# Altium PCB Gatorsynth_Sequencer.PcbDoc (part 2 of 3)
Units mm, origin at the board's own origin, x right, y up, seen from the top; angles counter-clockwise.
Board outline 320 x 113.4 mm, 2 copper layers (Top Layer, Bottom Layer); 245 components, 280 nets, 1041 pads, 279 vias.
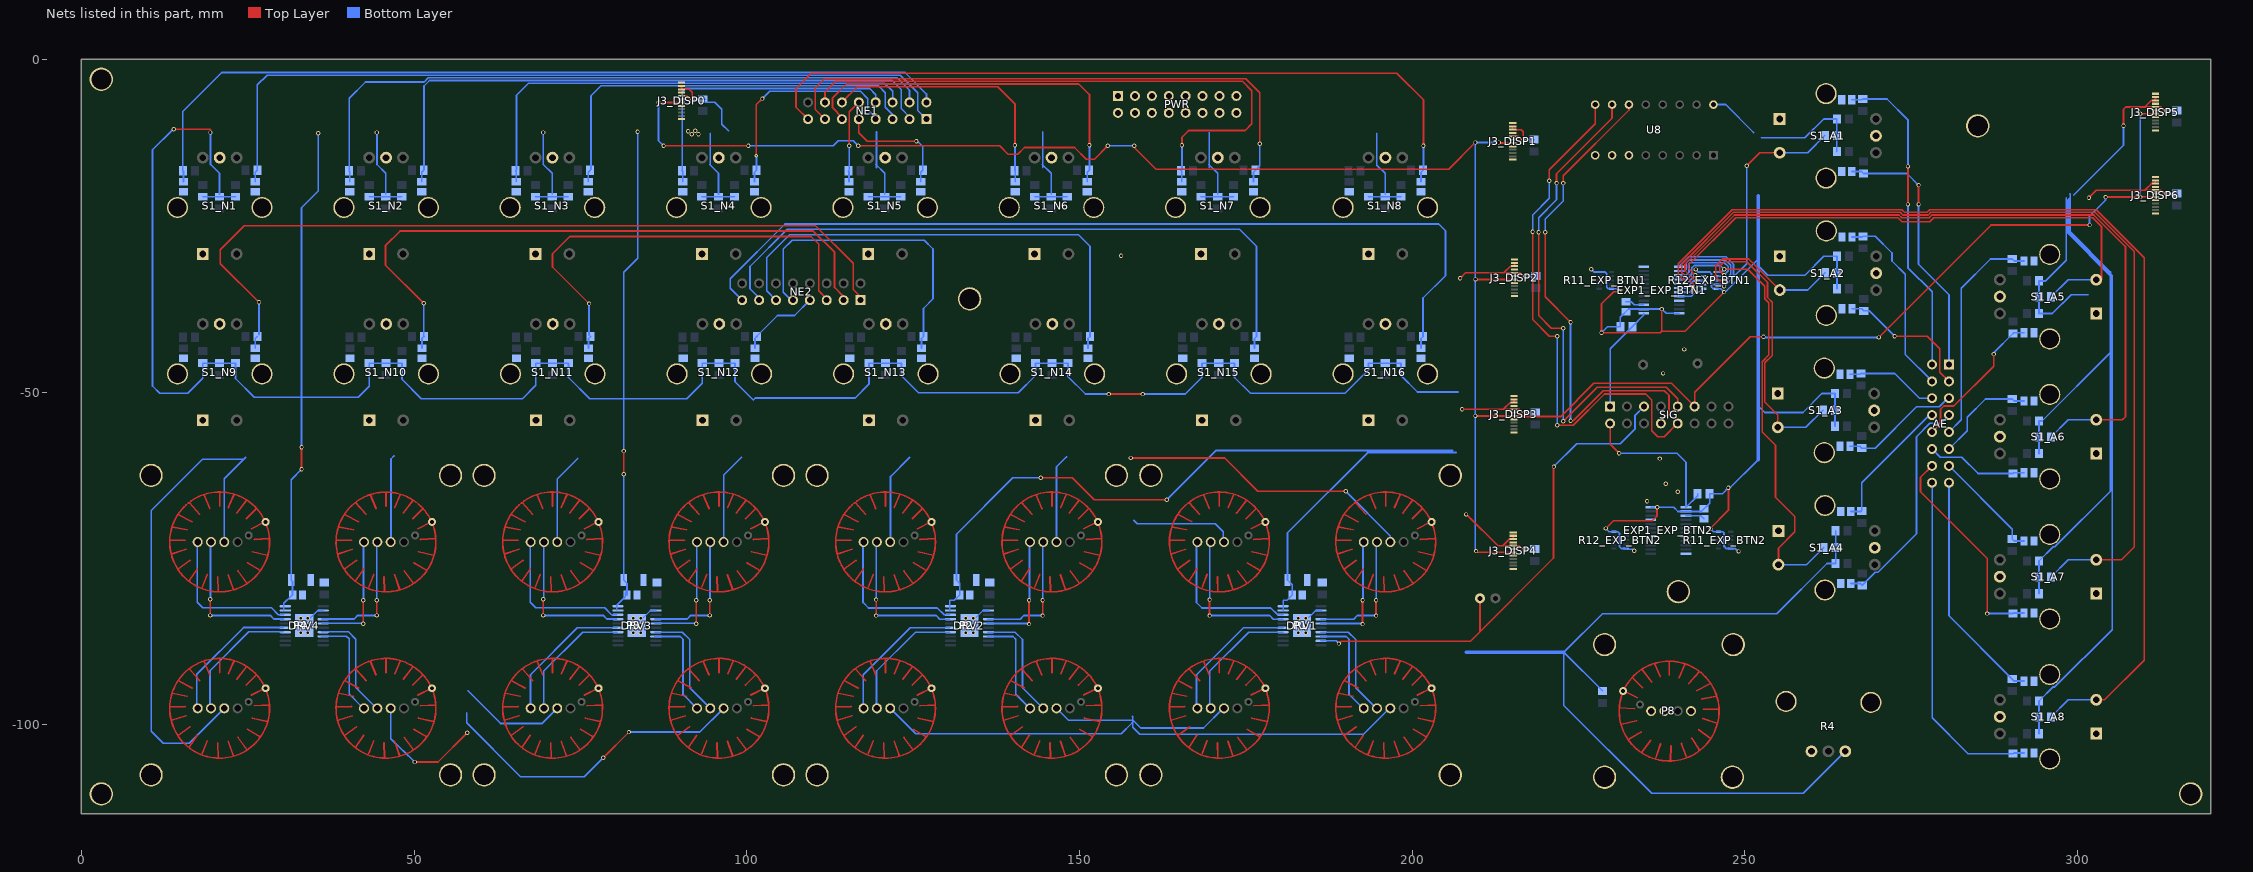
[diagram p2: the nets of this part, all layers, seen from the top]

## Part data
AE NE1 NE2 PWR SIG: "Header, 8-Pin, Dual row"
C1_A1 C1_A2 C1_A3 C1_A4 C1_A5 C1_A6 C1_A7 C1_A8 C1_N1 C1_N2 C1_N3 C1_N4 C1_N5 C1_N6 C1_N7 C1_N8 C1_N9 C1_N10 C1_N11 C1_N12 C1_N13 C1_N14 C1_N15 C1_N16 C2_A1 C2_A2 C2_A3 C2_A4 C2_A5 C2_A6 C2_A7 C2_A8 C2_N1 C2_N2 C2_N3 C2_N4 C2_N5 C2_N6 C2_N7 C2_N8 C2_N9 C2_N10 C2_N11 C2_N12 C2_N13 C2_N14 C2_N15 C2_N16: library part Cap, "Capacitor"
C15 C17 C19 C21: library part "Cap Pol2", "Polarized Capacitor (Axial)"
C16 C18 C20 C22 C23_EXP_BTN1 C23_EXP_BTN2: "Capacitor"
DRV1 DRV2 DRV3 DRV4: "12-Channel, 16-Bit ES-PWM RGB LED Driver with 3.3 V Linear Regulator, 6 to 17 V, -40 to 85 degC, 20-pin SOP (PWP20), Green (RoHS & no Sb/Br)"
EXP1_EXP_BTN1 EXP1_EXP_BTN2: "Interface IC - I/O extensions Maxim Integrated MAX7314AEG%2B PWM I%C2%B2C 400 kHz QSOP 24"
J3_DISP0 J3_DISP1 J3_DISP2 J3_DISP3 J3_DISP4 J3_DISP5 J3_DISP6 R11_EXP_BTN1 R11_EXP_BTN2 R12_EXP_BTN1 R12_EXP_BTN2 U8: "Imported"
P1 P2 P3 P4: library part BUTTONPAD-2X2, "5mm Button PadProven layout and schematic for 2x2 button pad. Panelize this device/fp to a 4x4 pad if needed. Spark Fun Electronics SKU : COM-07835. Compatible common cathode tri-color LED SKU : COM-00105"
R1_A1 R1_A2 R1_A3 R1_A4 R1_A5 R1_A6 R1_A7 R1_A8 R1_N1 R1_N2 R1_N3 R1_N4 R1_N5 R1_N6 R1_N7 R1_N8 R1_N9 R1_N10 R1_N11 R1_N12 R1_N13 R1_N14 R1_N15 R1_N16 R2_A1 R2_A2 R2_A3 R2_A4 R2_A5 R2_A6 R2_A7 R2_A8 R2_N1 R2_N2 R2_N3 R2_N4 R2_N5 R2_N6 R2_N7 R2_N8 R2_N9 R2_N10 R2_N11 R2_N12 R2_N13 R2_N14 R2_N15 R2_N16 R3_A1 R3_A2 R3_A3 R3_A4 R3_A5 R3_A6 R3_A7 R3_A8 R3_N1 R3_N2 R3_N3 R3_N4 R3_N5 R3_N6 R3_N7 R3_N8 R3_N9 R3_N10 R3_N11 R3_N12 R3_N13 R3_N14 R3_N15 R3_N16 R5 R6 R7 R8 R9_DISP0 R9_DISP1 R9_DISP2 R9_DISP3 R9_DISP4 R9_DISP5 R9_DISP6 R10_EXP_BTN1 R10_EXP_BTN2 R25 R34_A1 R34_A2 R34_A3 R34_A4 R34_A5 R34_A6 R34_A7 R34_A8 R34_N1 R34_N2 R34_N3 R34_N4 R34_N5 R34_N6 R34_N7 R34_N8 R34_N9 R34_N10 R34_N11 R34_N12 R34_N13 R34_N14 R34_N15 R34_N16 R35_A1 R35_A2 R35_A3 R35_A4 R35_A5 R35_A6 R35_A7 R35_A8 R35_N1 R35_N2 R35_N3 R35_N4 R35_N5 R35_N6 R35_N7 R35_N8 R35_N9 R35_N10 R35_N11 R35_N12 R35_N13 R35_N14 R35_N15 R35_N16: library part Res1, "Resistor"
R4: library part "Potentiometer (NO_SLOTS)"

## Free pads (board coordinates)
  round 3.5 hole 3: 3(3,-110.4) 3(3,-3) 3(133.5,-36) 3(240,-80) 3(285,-10) 3(317,-110.4)
  round 1.524 hole 0.762: 4(234.7,-45.9) 5(242.9,-45.7) 8(210.2,-81) 10(212.502,-81)

## Via types
v1: diameter 0.64, hole 0.381, Top Layer to Bottom Layer, 278 vias
v2: diameter 0.55, hole 0.25, Top Layer to Bottom Layer, 1 vias

## Nets (pads, with @x,y where several pads share a name; then routed paths per layer and width w, separated by ;. In a path a pad name is that pad's centre, name@x,y a point inside that pad or via, vN(x,y) a via of type N, cw(c..) or ccw(c..) an arc to the next point about the centre after c; other vN are vias at no path point)
1.27V: 
3.3V: C15.1 C16.2 C17.1 C18.2 C19.1 C20.2 C21.1 C22.2 C23_EXP_BTN1.1 C23_EXP_BTN2.1 DRV1.19 DRV1.20 DRV2.19 DRV2.20 DRV3.19 DRV3.20 DRV4.19 DRV4.20 EXP1_EXP_BTN1.2 EXP1_EXP_BTN1.24 EXP1_EXP_BTN2.2 EXP1_EXP_BTN2.24 J3_DISP0.2 J3_DISP0.3 J3_DISP0.5 J3_DISP1.2 J3_DISP1.3 J3_DISP1.5 J3_DISP2.2 J3_DISP2.3 J3_DISP2.5 J3_DISP3.2 J3_DISP3.3 J3_DISP3.5 J3_DISP4.2 J3_DISP4.3 J3_DISP4.5 J3_DISP5.2 J3_DISP5.3 J3_DISP5.5 J3_DISP6.2 J3_DISP6.3 J3_DISP6.5 PWR.6 PWR.7 PWR.8 PWR.9 PWR.10 R1_A1.1 R1_A2.1 R1_A3.1 R1_A4.1 R1_A5.1 R1_A6.1 R1_A7.1 R1_A8.1 R1_N1.1 R1_N2.1 R1_N3.1 R1_N4.1 R1_N5.1 R1_N6.1 R1_N7.1 R1_N8.1 R1_N9.1 R1_N10.1 R1_N11.1 R1_N12.1 R1_N13.1 R1_N14.1 R1_N15.1 R1_N16.1 R4.3 R9_DISP0.1 R9_DISP1.1 R9_DISP2.1 R9_DISP3.1 R9_DISP4.1 R9_DISP5.1 R9_DISP6.1 R10_EXP_BTN1.2 R10_EXP_BTN2.2 R11_EXP_BTN1.5 R11_EXP_BTN1.10 R11_EXP_BTN2.5 R11_EXP_BTN2.10 R12_EXP_BTN1.5 R12_EXP_BTN1.10 R12_EXP_BTN2.5 R12_EXP_BTN2.10 R25.2 R34_A1.1 R34_A2.1 R34_A3.1 R34_A4.1 R34_A5.1 R34_A6.1 R34_A7.1 R34_A8.1 R34_N1.1 R34_N2.1 R34_N3.1 R34_N4.1 R34_N5.1 R34_N6.1 R34_N7.1 R34_N8.1 R34_N9.1 R34_N10.1 R34_N11.1 R34_N12.1 R34_N13.1 R34_N14.1 R34_N15.1 R34_N16.1 R35_A1.1 R35_A2.1 R35_A3.1 R35_A4.1 R35_A5.1 R35_A6.1 R35_A7.1 R35_A8.1 R35_N1.1 R35_N2.1 R35_N3.1 R35_N4.1 R35_N5.1 R35_N6.1 R35_N7.1 R35_N8.1 R35_N9.1 R35_N10.1 R35_N11.1 R35_N12.1 R35_N13.1 R35_N14.1 R35_N15.1 R35_N16.1 U8.16 | length 1391.6
  Top Layer w0.254: v1(13.9,-10.5) 19.4,-10.5 ; v1(33.1,-61.6) v1(33.1,-58.3) ; v1(81.525,-62.375) v1(81.525,-58.875) ; J3_DISP0.5@90.201,-5.5 91.029,-5.5 91.53,-6.001 v1(91.8,-6.001) 91.8,-4.951 91.349,-4.5 J3_DISP0.3@90.201,-4.5 J3_DISP0.2@90.201,-4.033 ; J3_DISP0.2@90.201,-4 J3_DISP0.2@90.579,-4 ; v1(144.2,-62.9) 148.9,-62.9 152.2,-66.2 v1(163.1,-66.2) ; v1(154.4,-50.3) v1(159.5,-50.3) ; v1(207.2,-32.9) 208.016,-32.084 213.075,-32.084 ; v1(207.5,-52.6) 207.508,-52.592 213,-52.592 ; v1@208.3,-68.5 212.9,-73.1 ; 212.901,-73.099 213.6,-73.099 ; 213.001,-52.591 213.7,-52.591 ; 213.076,-32.083 213.775,-32.083 ; J3_DISP1.5@215.101,-11.575 215.929,-11.575 216.43,-12.076 v1(216.7,-12.076) 216.7,-10.9 216.375,-10.575 J3_DISP1.3@215.101,-10.575 J3_DISP1.2@215.101,-10.108 ; J3_DISP1.2@215.101,-10.075 J3_DISP1.2@215.479,-10.075 ; J3_DISP4.2@215.201,-71.633 J3_DISP4.3@215.201,-72.099 214.6,-72.099 213.6,-73.099 ; J3_DISP4.2@215.201,-71.599 J3_DISP4.2@215.579,-71.599 ; J3_DISP3.2@215.301,-51.124 J3_DISP3.3@215.301,-51.591 214.7,-51.591 213.7,-52.591 ; J3_DISP3.2@215.301,-51.091 J3_DISP3.2@215.679,-51.091 ; J3_DISP2.2@215.376,-30.616 J3_DISP2.3@215.376,-31.083 214.775,-31.083 213.775,-32.083 ; J3_DISP2.2@215.376,-30.583 J3_DISP2.2@215.754,-30.583 ; v1(216.8,-73.6) 216.53,-73.6 216.029,-73.099 213.6,-73.099 ; v1(216.9,-53.092) 216.63,-53.092 216.129,-52.591 213.7,-52.591 ; v1(216.975,-32.584) 216.705,-32.584 216.204,-32.083 213.775,-32.083 ; v1(228.45,-41.075) 237.3,-41.075 237.525,-40.85 ; v1@228.55,-40.9 228.45,-41 228.45,-36.747 230.279,-34.917 v1(231.129,-34.917) ; v1(229.1,-70.5) 230.25,-69.35 236.1,-69.35 236.8,-68.65 236.8,-67.465 236.958,-67.308 v1(236.827,-67.308) ; v1(237.525,-37.525) 237.525,-40.85 ; v1@244.794,-70.506 247.525,-67.775 v1@247.525,-64.475 ; v1(246.875,-34.975) 241,-40.85 237.525,-40.85 ; v1(301.7,-20.8) 302.823,-19.677 309.4,-19.677 309.401,-19.676 310.1,-19.676 ; v1(306.9,-10) 306.9,-7.5 307.224,-7.176 309.4,-7.176 ; 309.401,-7.175 310.1,-7.175 ; J3_DISP6.2@311.701,-18.209 J3_DISP6.3@311.701,-18.676 311.1,-18.676 310.1,-19.676 ; J3_DISP6.2@311.701,-18.176 J3_DISP6.2@312.079,-18.176 ; J3_DISP5.2@311.701,-5.708 J3_DISP5.3@311.701,-6.175 311.1,-6.175 310.1,-7.175 ; J3_DISP5.2@311.701,-5.675 J3_DISP5.2@312.079,-5.675 ; v1(313.3,-20.177) 313.03,-20.177 312.529,-19.676 J3_DISP6.5@311.701,-19.676 310.1,-19.676 ; v1(313.3,-7.676) 313.03,-7.676 312.529,-7.175 J3_DISP5.5@311.701,-7.175 310.1,-7.175
  Bottom Layer w0.254: v1(13.9,-10.5) 13.8,-10.5 10.7,-13.6 10.7,-49.1 11.8,-50.2 16,-50.2 18.26,-47.94 R35_N9.1@18.26,-45.653 R1_N9.1@20.76,-45.653 R34_N9.1@23.16,-45.653 23.16,-47.96 26,-50.8 33.1,-50.8 ; R35_N1.1@18.26,-20.653 R1_N1.1@20.76,-20.653 R34_N1.1@23.16,-20.653 ; v1@19.426,-11.026 19.426,-15.806 20.76,-17.14 R1_N1.1@20.76,-20.253 ; DRV4.19@30.415,-82.807 30.415,-81.76 31.685,-80.49 C22.2@31.685,-80.013 ; C22.2@31.75,-80.5 31.75,-78.475 C21.1@31.525,-78.25 31.525,-63.175 v1(33.1,-61.6) ; v1(33.1,-58.3) 33.1,-50.8 ; v1(35.6,-11.1) 35.6,-19.8 33.1,-22.3 33.1,-50.8 ; R35_N2.1@43.26,-20.653 R34_N2.1@48.16,-20.653 ; v1@44.426,-11.026 44.426,-15.806 45.76,-17.14 R1_N2.1@45.76,-20.253 ; R35_N3.1@68.26,-20.653 R1_N3.1@70.76,-20.653 R34_N3.1@73.16,-20.653 ; v1(69.4,-11) 69.426,-11.026 69.426,-15.806 70.76,-17.14 R1_N3.1@70.76,-20.253 ; DRV3.19@80.478,-82.807 80.478,-82.022 81.748,-80.752 C20.2@81.748,-80.013 ; v1(81.525,-62.375) C19.1@81.525,-78.25 82,-78.725 C20.2@82,-80.5 ; v1(81.525,-58.875) 81.525,-51 ; v1(83.6,-10.9) 83.6,-29.9 81.525,-31.975 81.525,-51 ; v1@92,-6.001 R9_DISP0.1@93.4,-6.001 R9_DISP0.1@93.85,-6.001 ; R35_N4.1@93.26,-20.653 R1_N4.1@95.76,-20.653 R34_N4.1@98.16,-20.653 ; R9_DISP0.1@93.663,-6.463 95.213,-6.463 96.25,-7.5 96.25,-9.75 97.25,-10.75 ; 94.426,-15.806 95.76,-17.14 R1_N4.1@95.76,-20.253 ; 94.5,-15.806 94.5,-11.1 ; R35_N5.1@118.26,-20.653 R1_N5.1@120.76,-20.653 R34_N5.1@123.16,-20.653 ; 119.426,-15.806 120.76,-17.14 R1_N5.1@120.76,-20.253 ; 119.5,-16.28 119.5,-10.9 ; DRV2.19@130.491,-82.832 130.491,-81.308 131.192,-81.308 C18.2@132,-80.5 132,-78.725 C17.1@131.525,-78.25 131.525,-71.375 140,-62.9 v1(144.2,-62.9) ; R35_N6.1@143.26,-20.653 R1_N6.1@145.76,-20.653 R34_N6.1@148.16,-20.653 ; 144.426,-15.806 145.76,-17.14 R1_N6.1@145.76,-20.253 ; 144.5,-16.28 144.5,-10.9 ; v1(154.4,-50.3) 150.9,-50.3 148.285,-47.685 R34_N14.1@148.285,-45.653 R35_N14.1@143.385,-45.653 143.385,-47.515 140.8,-50.1 125.8,-50.1 123.26,-47.56 R34_N13.1@123.26,-45.653 R35_N13.1@118.36,-45.653 118.36,-48.84 116.3,-50.9 101.3,-50.9 101,-51.2 98.235,-48.435 R34_N12.1@98.235,-45.653 R35_N12.1@93.335,-45.653 93.335,-48.665 91,-51 81.525,-51 ; v1(159.5,-50.3) 165.9,-50.3 168.41,-47.79 R35_N15.1@168.41,-45.653 R34_N15.1@173.31,-45.653 ; v1(163.1,-66.2) 170.5,-58.8 206.1,-58.8 ; R35_N7.1@168.26,-20.653 R1_N7.1@170.76,-20.653 R34_N7.1@173.16,-20.653 ; 169.426,-15.806 170.76,-17.14 R1_N7.1@170.76,-20.253 ; 169.5,-16.28 169.5,-11 ; R34_N15.1@173.31,-45.653 173.31,-47.81 175.7,-50.2 189.9,-50.2 193.435,-46.665 R35_N16.1@193.435,-45.653 R34_N16.1@198.335,-45.653 198.335,-47.535 200.8,-50 206.9,-50 ; DRV1.19@180.605,-82.832 DRV1.20@180.605,-82.182 180.605,-81.308 181.192,-81.308 C16.2@182,-80.5 182,-78.975 C15.1@181.275,-78.25 181.275,-71.125 193.3,-59.1 206.6,-59.1 ; R35_N8.1@193.435,-20.653 R1_N8.1@195.935,-20.653 R34_N8.1@198.335,-20.653 ; 194.7,-11.1 194.7,-15.905 195.935,-17.14 R1_N8.1@195.935,-20.253 ; v1@216.9,-12.076 R9_DISP1.1@218.3,-12.076 ; v1@217,-73.6 R9_DISP4.1@218.4,-73.6 ; v1@217.1,-53.092 R9_DISP3.1@218.5,-53.092 ; v1@217.175,-32.584 R9_DISP2.1@218.575,-32.584 ; v1(226.929,-31.567) 227.297,-31.935 227.309,-31.947 228.947,-31.947 229.25,-32.25 229.25,-34.25 229.487,-34.487 R11_EXP_BTN1.5@229.944,-34.487 230.699,-34.487 v1(231.129,-34.917) ; v1(228.45,-41.075) 229.35,-40.175 R10_EXP_BTN1.2@231.275,-40.175 231.275,-38.772 232.514,-37.532 EXP1_EXP_BTN1.2@234.821,-37.532 234.828,-37.525 v1(237.525,-37.525) 238.167,-38.167 EXP1_EXP_BTN1.24@240.129,-38.167 ; R25.2@228.6,-94.9 222.8,-89.1 ; v1(229.1,-70.5) 229.587,-70.987 230.912,-70.987 231.162,-71.237 231.162,-73.237 231.452,-73.527 R12_EXP_BTN2.10@232.16,-73.527 232.28,-73.647 233.161,-73.647 v1(233.364,-73.85) ; EXP1_EXP_BTN2.24@235.846,-67.308 v1(236.827,-67.308) 239.3,-67.308 239.942,-67.95 241.147,-67.95 EXP1_EXP_BTN2.2@241.154,-67.943 243.461,-67.943 244.7,-66.703 R10_EXP_BTN2.2@244.7,-65.3 246.625,-65.3 v1(247.525,-64.4) ; v1(242.612,-31.577) 242.612,-31.612 242.947,-31.948 R12_EXP_BTN1.10@243.815,-31.947 244.697,-31.947 244.973,-32.223 244.973,-34.223 245.25,-34.5 ; v1(244.846,-70.558) 245.276,-70.988 R11_EXP_BTN2.5@246.031,-70.988 246.663,-70.988 246.875,-71.2 246.875,-73.2 247.203,-73.528 R11_EXP_BTN2.10@247.86,-73.528 248.578,-73.528 249,-73.95 v1(249.05,-73.95) ; U8.16@245.28,-6.8 247.1,-6.8 251.3,-11 ; R12_EXP_BTN1.5@245.644,-34.487 246.388,-34.488 v1(246.875,-34.975) 247.025,-34.975 252,-30 ; v1@247.625,-64.55 252,-60.175 ; 252,-52.1 252.967,-53.067 258.725,-53.067 261.565,-50.227 R35_A3.1@263.547,-50.227 R34_A3.1@263.547,-55.127 ; 252,-31 253.433,-32.433 259.025,-32.433 261.865,-29.593 R35_A2.1@263.847,-29.593 R34_A2.1@263.847,-34.493 ; 252.5,-11.8 259,-11.8 261.84,-8.96 R35_A1.1@263.822,-8.96 R34_A1.1@263.822,-13.86 ; R35_A4.1@263.647,-70.86 R1_A4.1@263.647,-73.36 R34_A4.1@263.647,-75.76 262.34,-75.76 254.8,-83.3 228.6,-83.3 222.8,-89.1 ; R4.3@265.09,-103.993 258.783,-110.3 236,-110.3 222.8,-97.1 222.8,-89.1 ; R35_A8.1@294.2,-101.34 R1_A8.1@294.2,-98.84 R34_A8.1@294.2,-96.44 296.326,-94.314 296.587,-94.314 305.2,-85.702 305.2,-32.5 298.7,-26 298.7,-21.3 ; R35_A7.1@294.2,-80.293 R1_A7.1@294.2,-77.793 R34_A7.1@294.2,-75.393 296.326,-73.268 296.587,-73.268 304.955,-64.9 304.955,-31.955 298.9,-25.9 298.9,-20.3 298.8,-20.2 ; R35_A6.1@294.2,-59.247 R1_A6.1@294.2,-56.747 R34_A6.1@294.2,-54.347 294.653,-54.347 305,-44 305,-32.6 298.5,-26.1 298.5,-21.2 298.8,-20.9 ; 298.3,-20.8 298.3,-30.2 295.2,-33.3 R34_A5.1@294.2,-33.3 R1_A5.1@294.2,-35.7 R35_A5.1@294.2,-38.2 296.182,-38.2 299.022,-35.36 301.622,-35.36 ; 299.4,-20.4 306.9,-12.9 v1(306.9,-10) ; v1@313.5,-20.177 R9_DISP6.1@314.9,-20.177 ; v1@313.5,-7.676 R9_DISP5.1@314.9,-7.676 ; 33.1,-50.8 41.6,-50.8 43.285,-49.115 R35_N10.1@43.285,-45.653 R34_N10.1@48.185,-45.653 48.185,-48.085 51.1,-51 66.3,-51 68.31,-48.99 R35_N11.1@68.31,-45.653 R34_N11.1@73.21,-45.653 73.21,-47.81 76.4,-51 81.525,-51
  Bottom Layer w0.5: 208.1,-89.1 222.8,-89.1 ; 252,-60.175 252,-52.1 252,-31 252,-30 252,-20.5
  other v1: 208.1,-68.4 91.75,-11.25 92.75,-11.25 19.4,-11 44.4,-11 91.175,-10.8 92.25,-10.75
5V: 
12V: P1.VCC1 P1.VCC2 P1.VCC3 P1.VCC4 P2.VCC1 P2.VCC2 P2.VCC3 P2.VCC4 P3.VCC1 P3.VCC2 P3.VCC3 P3.VCC4 P4.VCC1 P4.VCC2 P4.VCC3 P4.VCC4 PWR.1 PWR.2 PWR.3 PWR.4 PWR.5 | length 399
  Top Layer w0.254: v1(50.1,-105.6) 53.6,-105.6 v1(58,-101.2) ; v1(78.45,-104.95) v1(82.3,-101.1) ; v1(157.7,-59.9) 171.8,-59.9 176.8,-64.9 v1(190,-64.9)
  Bottom Layer w0.254: P4.VCC4@21.485,-97.529 16.214,-102.8 12.3,-102.8 10.5,-101 10.5,-67.8 18.2,-60.1 24.394,-60.1 ; P4.VCC2@21.485,-72.529 21.485,-63.009 24.394,-60.1 ; 24.697,-59.797 24.394,-60.1 ; P4.VCC3@46.485,-97.529 46.485,-102.085 v1(50.1,-105.6) ; P4.VCC1@46.536,-72.427 46.536,-60.064 47,-59.6 ; 57.9,-98.2 57.9,-99.7 66,-107.8 75.6,-107.8 v1(78.45,-104.95) ; 58.1,-94.9 63,-99.8 69.252,-99.8 P3.VCC4@71.523,-97.529 ; P3.VCC2@71.523,-72.529 71.523,-63.077 74.6,-60 ; v1(82.3,-101.1) 92.952,-101.1 P3.VCC3@96.523,-97.529 ; P3.VCC1@96.171,-72.177 P3.VCC1@96.523,-72.177 ; P3.VCC1@96.523,-72.529 P3.VCC1@96.523,-72.177 ; P3.VCC1@96.875,-72.177 P3.VCC1@96.523,-72.177 ; 99.2,-59.8 96.523,-62.477 P3.VCC1@96.523,-72.177 ; P2.VCC4@121.561,-97.529 125.406,-101.374 156.272,-101.374 157.897,-99.748 ; P2.VCC2@121.593,-72.402 121.593,-62.707 124.5,-59.8 ; P2.VCC3@146.561,-97.529 148.349,-99.317 157.897,-99.317 ; P2.VCC1@146.561,-72.529 146.561,-61.239 148.05,-59.75 ; 157.948,-98.796 158.012,-98.732 158.012,-100.396 159.066,-101.45 192.678,-101.45 P1.VCC3@196.599,-97.529 ; 158.126,-99.418 159.193,-100.485 168.643,-100.485 P1.VCC4@171.599,-97.529 ; 158.177,-69.268 158.634,-69.726 158.634,-69.776 170.394,-69.776 171.599,-70.981 P1.VCC2@171.599,-72.529 ; v1(190,-64.9) 196.724,-71.624 P1.VCC1@196.724,-72.529
  other v1: 156.25,-29.5
-12V: 
AE_L0: AE.1 C1_A1.2 R2_A1.2 | length 39.8
  Top Layer w0.254: v1@276.1,-21.9 v1(276.1,-21.8) v1(276.1,-18.9)
  Bottom Layer w0.254: C1_A1.2@266.072,-16.86 267.522,-16.86 R2_A1.2@267.822,-17.16 274.36,-17.16 v1(276.1,-18.9) ; v1(276.1,-21.8) 276.1,-30.8 280.675,-35.375 AE.1@280.675,-45.85
AE_L1: AE.3 C1_A2.2 R2_A2.2 | length 21.2
  Top Layer w0.254: v1(272.5,-41.6) 277.4,-41.6 279.3,-43.5 279.3,-47.015 AE.3@280.675,-48.39
  Bottom Layer w0.254: C1_A2.2@266.097,-37.493 267.547,-37.493 R2_A2.2@267.847,-37.793 268.693,-37.793 v1(272.5,-41.6)
AE_L2: AE.5 C1_A3.2 R2_A3.2 | length 18.1
  Bottom Layer w0.254: C1_A3.2@265.797,-58.127 267.247,-58.127 R2_A3.2@267.547,-58.427 269.573,-58.427 275.8,-52.2 279.2,-52.2 280.47,-50.93 AE.5@280.675,-50.93
AE_L3: AE.7 C1_A4.2 R2_A4.2 | length 34.1
  Bottom Layer w0.254: C1_A4.2@265.897,-78.76 267.347,-78.76 R2_A4.2@267.647,-79.06 269.601,-77.106 270.008,-77.106 275.8,-71.314 275.8,-56.7 277.8,-54.7 279.445,-54.7 AE.7@280.675,-53.47
AE_L4: AE.9 C1_A5.2 R2_A5.2 | length 33.8
  Bottom Layer w0.254: AE.9@280.675,-56.01 282.5,-54.185 282.5,-34.4 286.9,-30 R2_A5.2@290.2,-30 290.5,-30.3 C1_A5.2@291.95,-30.3
AE_L5: AE.11 C1_A6.2 R2_A6.2 | length 15.7
  Bottom Layer w0.254: AE.11@280.675,-58.55 283.4,-55.825 283.4,-53.8 286.153,-51.047 R2_A6.2@290.2,-51.047 290.5,-51.347 C1_A6.2@291.95,-51.347
AE_L6: AE.13 C1_A7.2 R2_A7.2 | length 16.8
  Bottom Layer w0.254: AE.13@280.675,-61.09 290.2,-70.615 R2_A7.2@290.2,-72.093 290.5,-72.393 C1_A7.2@291.95,-72.393
AE_L7: AE.15 C1_A8.2 R2_A8.2 | length 35.3
  Bottom Layer w0.254: AE.15@280.675,-63.63 280.675,-83.615 R2_A8.2@290.2,-93.14 290.5,-93.44 C1_A8.2@291.95,-93.44
AE_R0: AE.2 C2_A1.2 R3_A1.2 | length 47.9
  Top Layer w0.254: v1(274.5,-21.8) v1(274.5,-16.1)
  Bottom Layer w0.254: C2_A1.2@266.072,-6.06 R3_A1.2@267.622,-6.06 ; R3_A1.2@267.722,-5.96 271.36,-5.96 274.5,-9.1 v1(274.5,-16.1) ; v1(274.5,-21.8) 274.5,-31.3 278.135,-34.935 AE.2@278.135,-45.85
AE_R1: AE.4 C2_A2.2 R3_A2.2 | length 28.7
  Bottom Layer w0.254: C2_A2.2@266.097,-26.693 R3_A2.2@267.647,-26.693 ; R3_A2.2@267.747,-26.593 269.593,-26.593 272.1,-29.1 272.1,-30.3 274.1,-32.3 274.1,-44.355 AE.4@278.135,-48.39
AE_R2: AE.6 C2_A3.2 R3_A3.2 | length 13.8
  Bottom Layer w0.254: C2_A3.2@265.797,-47.327 R3_A3.2@267.347,-47.327 ; R3_A3.2@267.447,-47.227 272.527,-47.227 276.23,-50.93 AE.6@278.135,-50.93
AE_R3: AE.8 C2_A4.2 R3_A4.2 | length 20.6
  Bottom Layer w0.254: C2_A4.2@265.897,-67.96 R3_A4.2@267.447,-67.96 ; R3_A4.2@267.547,-67.86 267.547,-63.653 277.73,-53.47 AE.8@278.135,-53.47
AE_R4: AE.10 C2_A5.2 R3_A5.2 | length 22.4
  Top Layer w0.254: AE.10@278.135,-56.01 279.4,-54.745 279.4,-52.6 279.9,-52.1 281.4,-52.1 287.4,-46.1 v1(287.4,-44.3)
  Bottom Layer w0.254: v1(287.4,-44.3) 287.4,-44.1 R3_A5.2@290.3,-41.2 290.4,-41.1 C2_A5.2@291.95,-41.1
AE_R5: AE.12 C2_A6.2 R3_A6.2 | length 15.4
  Bottom Layer w0.254: AE.12@278.135,-58.55 279.385,-59.8 282.6,-59.8 285.047,-62.247 R3_A6.2@290.3,-62.247 290.4,-62.147 C2_A6.2@291.95,-62.147
AE_R6: AE.14 C2_A7.2 R3_A7.2 | length 32.7
  Top Layer w0.254: AE.14@278.135,-61.09 276.4,-62.825 276.4,-65 286.407,-75.007 v1(286.407,-83.293)
  Bottom Layer w0.254: v1@286.4,-83.3 v1(286.407,-83.293) R3_A7.2@290.3,-83.293 290.4,-83.193 C2_A7.2@291.95,-83.193
AE_R7: AE.16 C2_A8.2 R3_A8.2 | length 51.4
  Bottom Layer w0.254: AE.16@278.135,-63.63 278.135,-98.935 283.54,-104.34 R3_A8.2@290.3,-104.34 290.4,-104.24 C2_A8.2@291.95,-104.24
AE_SW0: EXP1_EXP_BTN1.13 R1_A1.2 R12_EXP_BTN1.4 S1_A1.2 | length 46.1
  Top Layer w0.254: v1(250.3,-16) 252.26,-14.04 S1_A1.2@255.222,-14.04
  Bottom Layer w0.254: EXP1_EXP_BTN1.13@240.129,-31.182 240.129,-31.107 241.561,-29.675 247.168,-29.675 248.292,-30.799 248.292,-32.708 v1(246.875,-34.125) 246.602,-33.852 R12_EXP_BTN1.4@245.644,-33.852 ; 248,-33 250.3,-30.7 v1(250.3,-16) ; S1_A1.2@255.222,-14.04 259.442,-14.04 R1_A1.2@262.022,-11.46
AE_SW1: EXP1_EXP_BTN1.14 R1_A2.2 R12_EXP_BTN1.3 S1_A2.2 | length 36.5
  Top Layer w0.254: v1(246.875,-33.275) 246.175,-33.275 245.6,-32.7 245.6,-31 246.6,-30 250.574,-30 S1_A2.2@255.247,-34.673
  Bottom Layer w0.254: EXP1_EXP_BTN1.14@240.129,-31.817 240.928,-31.817 241.206,-31.539 241.206,-30.601 241.64,-30.167 247.088,-30.167 247.888,-30.967 247.888,-32.287 247.766,-32.408 247.766,-32.609 247.1,-33.275 v1(246.875,-33.275) 246.817,-33.217 R12_EXP_BTN1.3@245.644,-33.217 ; S1_A2.2@255.247,-34.673 259.467,-34.673 R1_A2.2@262.047,-32.093
AE_SW2: EXP1_EXP_BTN1.15 R1_A3.2 R12_EXP_BTN1.2 S1_A3.2 | length 53.5
  Top Layer w0.254: v1(246.875,-32.425) 246.2,-31.75 246.2,-31.1 246.896,-30.404 250.304,-30.404 253.4,-33.5 253.4,-35.8 254.1,-36.5 254.1,-44.5 253,-45.6 253,-51.5 254.947,-53.447 S1_A3.2@254.947,-55.307
  Bottom Layer w0.254: EXP1_EXP_BTN1.15@240.129,-32.452 241.148,-32.452 241.561,-32.039 241.561,-32.024 241.61,-31.974 241.61,-30.768 241.808,-30.571 246.921,-30.571 247.484,-31.134 247.484,-31.81 247.427,-31.867 247.427,-31.873 v1(246.875,-32.425) 246.718,-32.582 R12_EXP_BTN1.2@245.644,-32.582 ; S1_A3.2@254.947,-55.307 259.167,-55.307 R1_A3.2@261.747,-52.727
AE_SW3: EXP1_EXP_BTN1.16 R1_A4.2 R12_EXP_BTN1.1 S1_A4.2 | length 70.5
  Top Layer w0.254: v1(246.887,-31.552) 250.452,-31.552 252.996,-34.096 252.996,-35.967 253.6,-36.571 253.6,-44.429 252.596,-45.433 252.596,-55.996 254.6,-58 254.6,-65.8 257.5,-68.7 257.5,-71 255.047,-73.453 S1_A4.2@255.047,-75.94